# Altium PCB PCB_ECGAcquisitionSystem.PcbDoc (part 2 of 2)
Units mm, origin at the board's own origin, x right, y up, seen from the top; angles counter-clockwise.
Board outline 85.22 x 55 mm, 2 copper layers (Top Layer, Bottom Layer); 165 components, 99 nets, 434 pads, 579 vias.
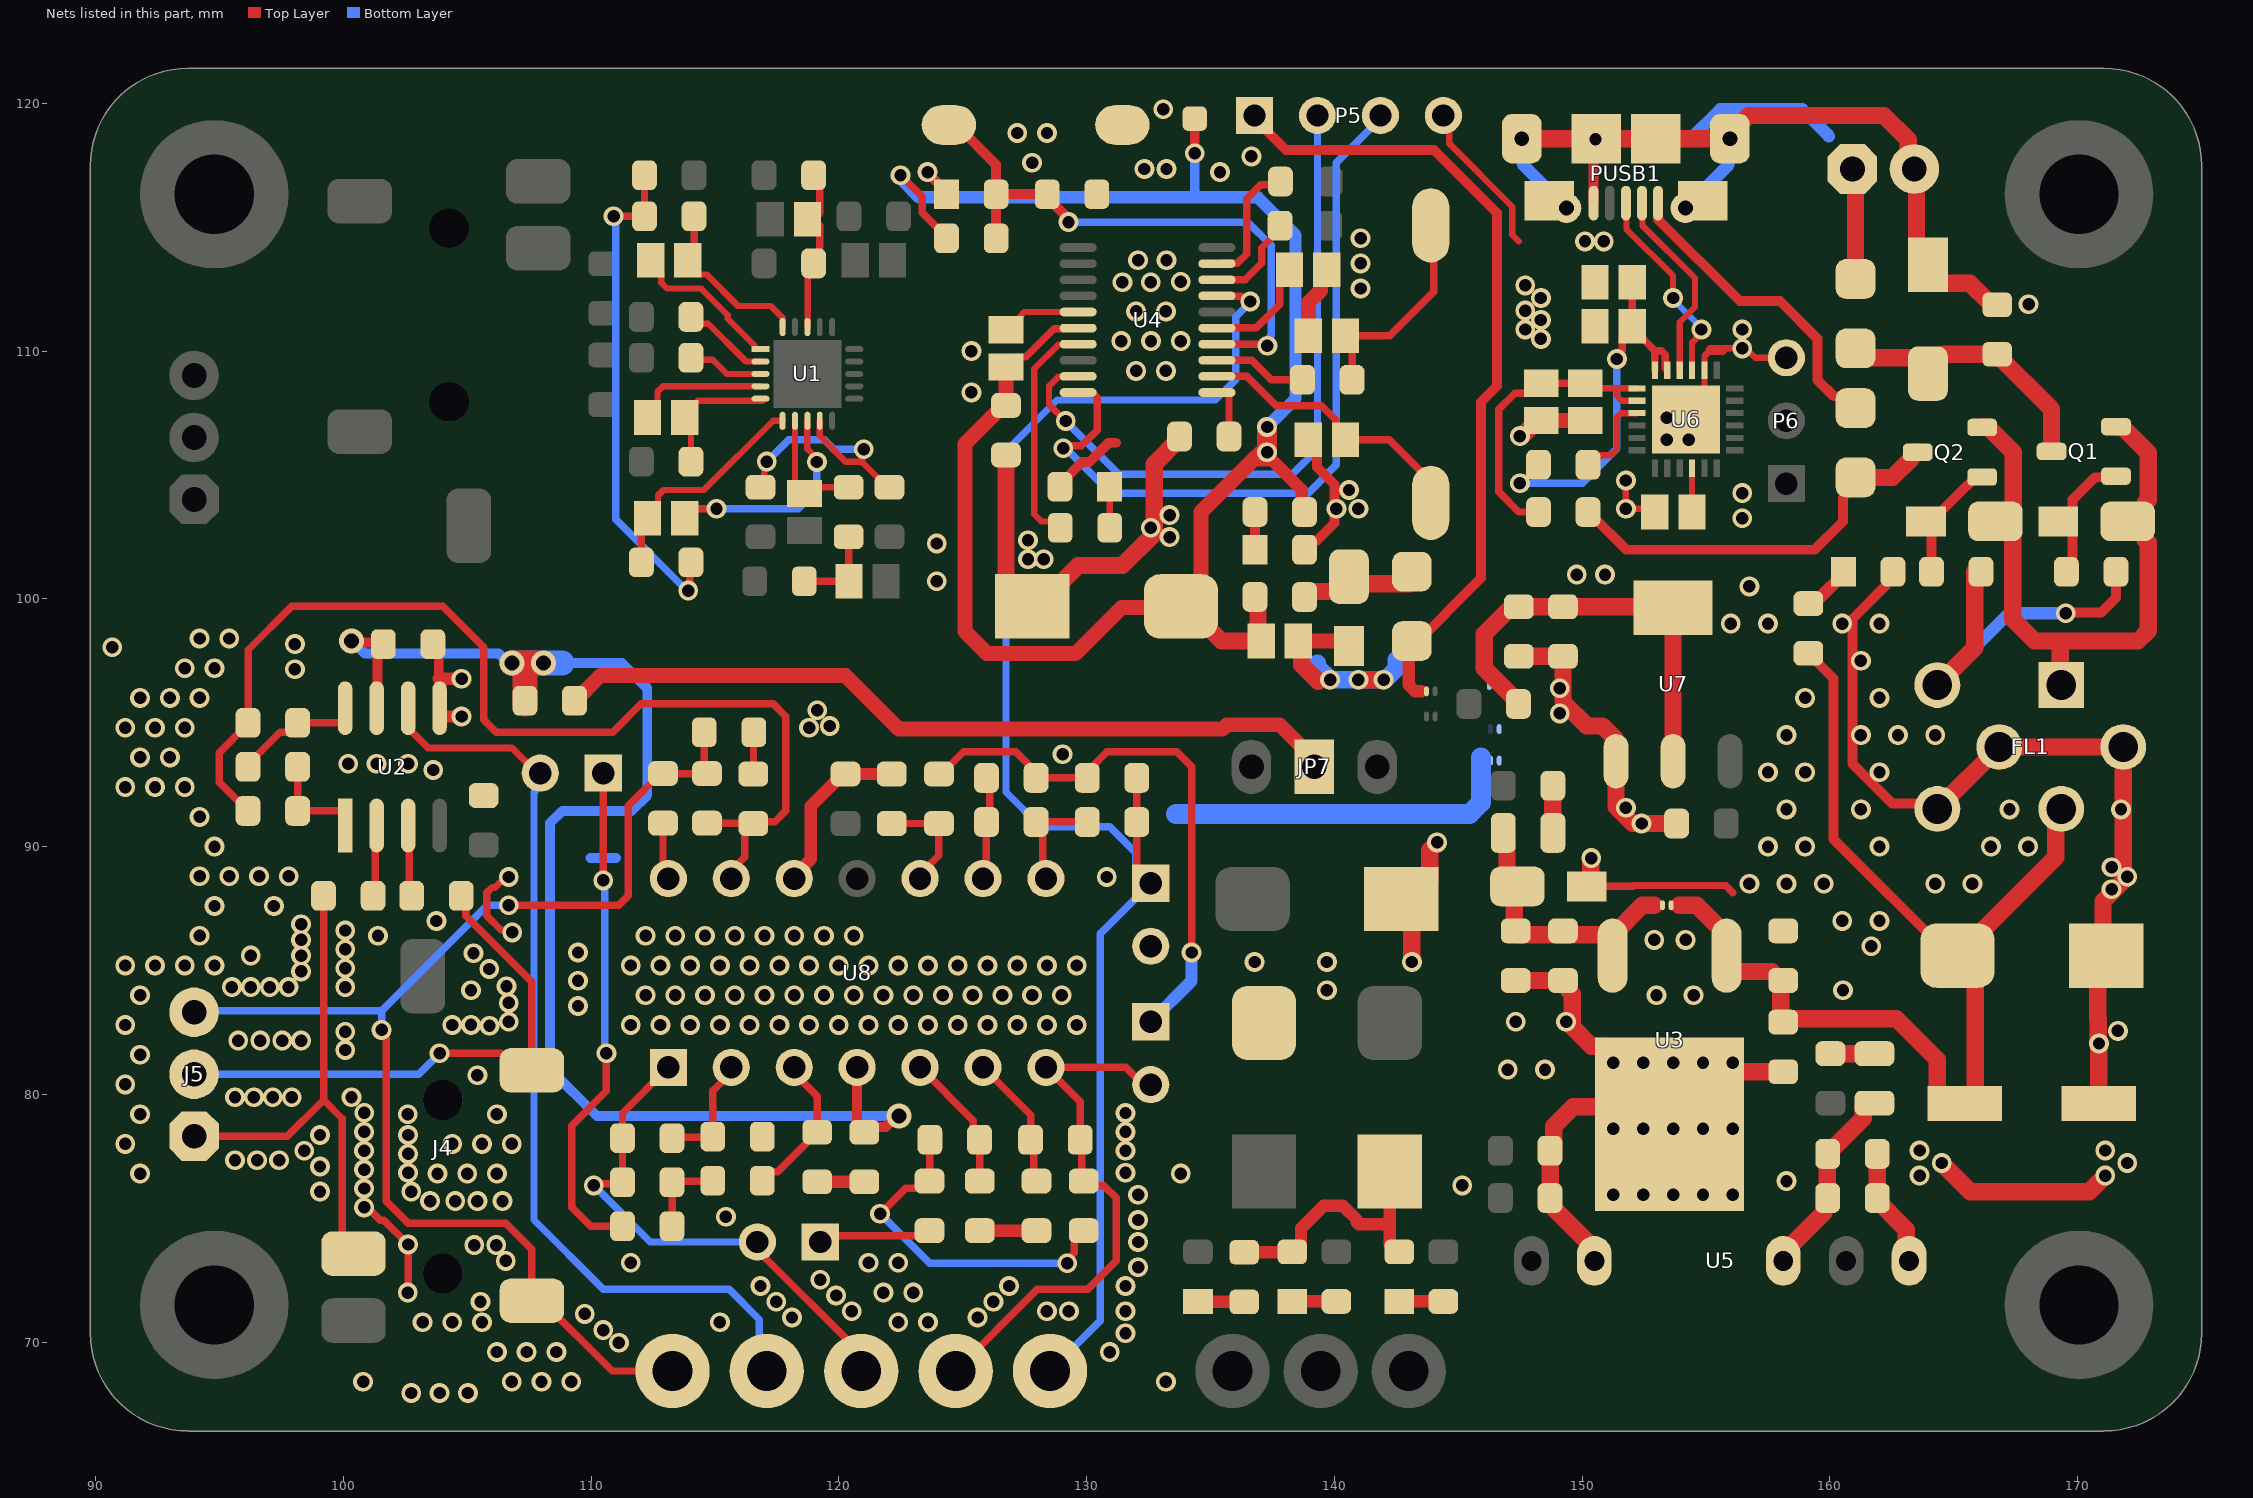
[diagram p2: the nets of this part, all layers, seen from the top]

## Via types
v1: diameter 0.8, hole 0.5, Top Layer to Bottom Layer, tented both sides, 487 vias
v2: diameter 0.8, hole 0.5, Top Layer to Bottom Layer, 87 vias
v3: diameter 1, hole 0.6, Top Layer to Bottom Layer, 5 vias

## Nets (pads, with @x,y where several pads share a name; then routed paths per layer and width w, separated by ;. In a path a pad name is that pad's centre, name@x,y a point inside that pad or via, vN(x,y) a via of type N, cw(c..) or ccw(c..) an arc to the next point about the centre after c; other vN are vias at no path point) (continued)
DGND: C8.2 C11.2 C14.2 C15.2 C31.1 C32.1 C33.1 C34.1 C35.1 C44.2 C45.1 C46.2 C47.2 D7.1 D9.1 D10.2 D11.2 JP5.1 P5.4 P6.3 R2.2 SW1.1 U4.15 U6.2 U6.25 | length 59.2
  Top Layer w0.254: C46.2@127,110.986 127.023,110.986 127.319,111.282 127.319,111.409 127.487,111.577 U4.15@129.661,111.577 ; P5.4@144.399,119.507 144.637,119.269 144.637,118.377 147.185,115.83 147.185,114.689 147.447,114.427 ; v1(151.765,104.775) v1(151.765,103.632) 152.806,103.632 C35.1@152.933,103.505 ; U6.25@154.94,108.204 154.94,109.802 155.182,110.044 ; 155.669,110.044 155.734,110.109 156.612,110.109 156.993,109.728 P6.3@158.242,109.728
  Top Layer w0.4: v1(123.584,117.222) 123.584,117.197 124.349,116.432 D9.1@124.349,116.332 ; D11.2@128.921,104.521 128.921,104.621 129.821,105.521 130.114,105.521 130.892,106.299 131.191,106.299 ; D10.2@138.795,101.981 138.795,102.054 139.091,102.35 139.301,102.35 140.004,103.054 140.004,103.555 v1(140.081,103.632) 140.004,103.709 140.004,104.617 139.3,105.321 139.3,106.076 C8.2@138.95,106.426 ; 155.182,110.044 155.669,110.044
  Top Layer w0.6: C44.2@138.545,98.298 140.205,98.298 140.589,97.914 D7.1@140.589,97.714 ; C11.2@138.95,110.617 138.95,111.947 139.438,112.435 139.438,113.034 C47.2@139.688,113.284 ; C33.1@148.349,107.2 C34.1@150.127,107.2
  Top Layer w0.7: C45.1@126.746,105.807 126.746,100.645 127.696,99.695 C15.2@127.81,99.695 128.01,99.695 129.661,101.346 131.445,101.346 132.727,102.628 132.727,105.433 133.747,106.453 R2.2@133.747,106.553 ; C44.2@138.545,98.298 138.672,98.171 138.672,97.344 139.35,96.666 ; v1(140.97,96.731) v1(141.986,96.731) ; v1(147.486,106.567) 147.506,106.586 147.585,106.586 148.199,107.2 C33.1@148.349,107.2
  Bottom Layer w0.7: 139.319,97.409 139.319,97.266 139.827,96.758 v1(139.827,96.731) ; v1@139.82,96.685 139.866,96.731 v1(140.97,96.731) ; v1@140.97,96.685 141.016,96.731 v1(141.986,96.731) ; v1@141.993,96.681 142.494,97.182 142.494,97.536
  other v1: 123.952,100.711 127.635,101.6 128.27,101.6 123.952,102.235 127.635,102.362 133.35,102.489 132.588,102.87 156.464,103.251 133.35,103.378 140.97,103.632 156.464,104.267 140.589,104.394 153.416,106.426 154.305,106.426 153.416,107.315 125.349,108.331 132,109.2 133.2,109.2 125.352,109.998 156.464,110.109 131.4,110.4 132.6,110.4 133.8,110.4 148.336,110.49 147.701,110.871 156.464,110.871 148.336,111.252 132,111.6 133.2,111.6 147.701,111.633 148.336,112.141 141.061,112.523 147.701,112.649 131.445,112.776 132.588,112.776 133.8,112.8 141.061,113.539 132.08,113.665 133.223,113.665 150.114,114.427 150.876,114.427 141.061,114.555 135.382,117.221 132.334,117.348 133.223,117.348 127.8,117.6 136.652,117.856 127.2,118.8 128.4,118.8 133.096,119.761
ECG_LA: J4.2 J5.2 R13.1 | length 23.1
  Top Layer w0.3: J5.2@93.98,80.812 J5.2@94.284,80.812 ; v2(103.886,81.661) 106.361,81.661 106.567,81.455 J4.2@107.129,81.455 ; R13.1@104.759,88.011 104.944,87.826 104.944,87.207 107.613,84.538 J4.2@107.613,81.513 ; J4.2@107.188,81.396 J4.2@107.613,80.971 J4.2@107.613,81.513 ; J4.2@107.188,81.513 J4.2@107.613,81.513
  Bottom Layer w0.3: J5.2@93.98,80.812 103.037,80.812 v2(103.886,81.661)
ECG_RA: J4.3 J5.1 R24.1 | length 20.8
  Top Layer w0.3: J5.1@93.98,78.312 97.743,78.312 99.203,79.772 ; R24.1@99.203,88.011 99.203,79.772 ; J4.3@100.413,73.571 99.949,74.035 99.949,79.026 99.203,79.772
ECG_RLD: C18.1 J4.1 J5.3 R16.1 R22.1 TP9.1 | length 51.8
  Top Layer w0.3: v2(101.547,82.601) 101.547,82.466 101.727,82.286 101.727,75.692 102.616,74.803 106.553,74.803 107.613,73.743 J4.1@107.613,71.671 108.013,71.671 110.85,68.834 TP9.1@113.284,68.834 ; v2(106.68,87.63) 111.125,87.63 111.506,88.011 111.506,91.651 112.803,92.948 R22.1@112.903,92.948 R16.1@114.57,92.948 ; C18.1@114.57,94.615 114.57,93.059 R16.1@114.681,92.948
  Bottom Layer w0.3: J5.3@93.98,83.312 94.042,83.374 101.547,83.374 ; v2(101.547,82.601) 101.547,83.374 ; v2(106.68,87.63) 105.803,87.63 101.547,83.374
ECG_V_OUT: C17.1 P4.1 R20.2 TP8.1 U4.7 | length 62.7
  Top Layer w0.3: R20.2@132.026,92.772 132.026,89.081 P4.1@132.588,88.519 ; U4.7@135.261,112.227 135.271,112.217 136.249,112.217 136.467,112 v2(136.602,112)
  Bottom Layer w0.3: TP8.1@128.524,68.834 130.556,70.866 130.556,86.487 P4.1@132.588,88.519 131.988,89.119 131.988,89.754 130.937,90.805 128.143,90.805 126.746,92.202 126.746,105.964 128.807,108.025 135.203,108.025 136.017,108.839 136.017,111.383 136.602,111.968 v2(136.602,112)
GND_ECG: C12.2 C20.1 C21.1 C39.1 C40.2 JP6.2 P4.2 R9.1 R10.1 R11.1 R12.2 U2.5 U8.12 | length 39.1
  Top Layer w0.3: v1(100.838,75.438) 100.973,75.438 101.49,74.921 101.636,74.921 v1(102.616,73.941) 102.616,72.016 v1(102.6,72) ; v1(106.68,88.773) 106.545,88.773 106.122,88.35 106.003,88.35 105.791,88.138 105.791,87.209 106.365,86.634 106.721,86.634 v1(106.816,86.538)
  Top Layer w0.4: C39.1@103.616,98.171 103.851,97.936 103.851,96.777 103.851,95.619 U2.5@103.886,95.584
  Top Layer w0.5: 103.851,96.777 104.772,96.777 v1(104.775,96.774) ; U2.5@103.886,95.584 103.886,95.288 103.924,95.25 v1(104.775,95.25) ; U8.12@118.199,88.708 118.199,88.828 118.872,89.501 118.872,91.635 120.169,92.932 C21.1@120.269,92.932 R12.2@122.136,92.932 ; C12.2@119.126,76.47 C20.1@121.031,76.47 ; R9.1@125.692,74.5 R10.1@127.978,74.5
  Bottom Layer w0.4: 109.982,89.535 110.998,89.535
  Bottom Layer w0.8: 133.604,91.313 145.454,91.313 145.923,91.782 145.923,93.599
  other v1: 102.743,67.945 103.886,67.945 105.029,67.945 100.8,68.4 106.8,68.4 108,68.4 109.2,68.4 133.2,68.4 106.2,69.6 107.4,69.6 108.6,69.6 130.937,69.596 111.125,69.977 131.572,70.358 110.49,70.485 103.2,70.8 104.4,70.8 105.6,70.8 115.2,70.8 122.4,70.8 123.6,70.8 118.11,70.993 125.603,70.993 109.747,71.139 120.523,71.247 128.397,71.247 129.286,71.247 131.572,71.247 105.537,71.628 117.475,71.628 126.238,71.628 119.888,71.882 121.8,72 123,72 116.84,72.263 126.873,72.263 131.572,72.263 119.253,72.517 132.08,73.025 111.6,73.2 121.2,73.2 122.4,73.2 106.553,73.279 105.283,73.914 106.172,73.914 132.08,74.041 132.08,74.93 115.443,75.057 103.505,75.692 104.521,75.692 105.41,75.692 106.426,75.692 132.08,75.946 99.06,76.073 102.743,76.073 100.838,76.2 91.8,76.8 103.8,76.8 105,76.8 106.2,76.8 133.8,76.8 102.616,76.835 131.572,76.835 100.838,76.962 99.06,77.089 95.631,77.343 96.52,77.343 97.409,77.343 102.616,77.597 98.425,77.724 100.838,77.724 131.572,77.724 91.2,78 104.4,78 105.6,78 106.8,78 99.06,78.359 102.616,78.359 100.838,78.486 131.572,78.486 91.8,79.2 102.6,79.2 106.2,79.2 100.846,79.257 131.572,79.248 95.631,79.883 96.393,79.883 97.155,79.883 97.917,79.883 100.33,79.883 91.2,80.4 105.41,80.772 91.8,81.6 100.076,81.788 95.758,82.169 96.647,82.169 97.536,82.169 98.298,82.169 100.076,82.524 105.902,82.769 91.2,82.8 104.4,82.8 105.156,82.804 111.6,82.8 112.8,82.8 114,82.8 115.2,82.8 116.4,82.8 117.6,82.8 118.8,82.8 120,82.8 121.2,82.8 122.4,82.8 123.6,82.8 124.8,82.8 126,82.8 127.2,82.8 128.4,82.8 129.6,82.8 106.68,82.931 109.474,83.566 106.68,83.693 91.8,84 112.2,84 113.4,84 114.6,84 115.8,84 117,84 118.2,84 119.4,84 120.6,84 121.8,84 123,84 124.2,84 125.4,84 126.6,84 127.8,84 129,84 105.156,84.201 95.504,84.328 96.266,84.328 97.028,84.328 97.79,84.328 100.076,84.328 106.587,84.362 109.474,84.582 98.298,84.963 105.888,85.06 100.076,85.09 91.2,85.2 92.4,85.2 93.6,85.2 94.8,85.2 111.6,85.2 112.8,85.2 114,85.2 115.2,85.2 116.4,85.2 117.6,85.2 118.8,85.2 120,85.2 121.2,85.2 122.4,85.2 123.6,85.2 124.8,85.2 126,85.2 127.2,85.2 128.4,85.2 129.6,85.2 96.266,85.598 98.298,85.598 105.253,85.695 109.474,85.725 100.076,85.852 98.298,86.233 94.2,86.4 101.4,86.4 112.2,86.4 113.4,86.4 114.6,86.4 115.8,86.4 117,86.4 118.2,86.4 119.4,86.4 120.6,86.4 100.076,86.614 98.298,86.868 103.759,86.995 94.8,87.6 97.2,87.6 130.81,88.773 94.2,88.8 95.4,88.8 96.6,88.8 97.8,88.8 94.8,90 94.2,91.2 91.2,92.4 92.4,92.4 93.6,92.4 103.632,93.091 100.203,93.345 101.346,93.345 102.616,93.345 91.8,93.6 93,93.6 129.032,93.726 91.2,94.8 92.4,94.8 93.6,94.8 118.8,94.8 119.634,94.869 119.126,95.504 91.8,96 93,96 94.2,96 98.044,97.155 93.6,97.2 94.8,97.2 90.678,98.044 98.044,98.171 94.2,98.4 95.4,98.4
GND_OUT: C2.2 D3.1 FL1.3 J2.2 PUSB1.5 PUSB1.SH1 PUSB1.SH2 PUSB1.SH3 PUSB1.SH4 PUSB1.SH5 PUSB1.SH6 PUSB1.SH7 PUSB1.SH8 R25.2 R44.2 | length 60.6
  Top Layer w0.4: PUSB1.5@150.465,115.971 PUSB1.SH3@150.465,118.471 ; v2@169.545,99.441 170.942,99.441 171.545,100.044 R25.2@171.545,101.092
  Top Layer w0.7: PUSB1.SH5@147.565,118.571 PUSB1.SH3@150.538,118.571 ; PUSB1.SH7@148.465,116.071 PUSB1.SH7@148.665,116.071 ; PUSB1.SH3@150.565,118.571 PUSB1.SH4@152.965,118.571 PUSB1.SH6@155.965,118.571 155.965,118.744 156.728,119.507 162.179,119.507 163.16,118.526 163.16,117.597 J2.2@163.409,117.348 163.493,117.265 163.493,113.577 D3.1@163.576,113.493 ; PUSB1.SH8@154.865,116.071 PUSB1.SH8@155.065,116.071 ; D3.1@163.83,113.493 163.83,113.193 164.28,112.743 165.652,112.743 166.524,111.871 C2.2@166.624,111.871 ; FL1.3@164.338,96.52 165.846,98.028 R44.2@165.846,101.092
  Bottom Layer w0.5: PUSB1.SH5@147.565,118.571 147.622,118.514 147.622,117.514 PUSB1.SH1@149.365,115.771 ; v2(150.538,118.546) 154.36,118.546 155.575,119.761 158.877,119.761 159.961,118.677 ; PUSB1.SH2@154.165,115.771 155.908,117.514 155.908,118.514 PUSB1.SH6@155.965,118.571 ; FL1.3@164.338,96.52 167.234,99.416 v2(169.518,99.416)
  other v2: 168.021,111.887
GND_VIN: C1.2 C3.1 C4.1 C5.1 C6.2 C13.1 C19.1 C29.1 C30.2 C36.1 C37.1 C38.2 C41.1 C42.1 C43.1 C48.2 D4.2 D5.2 D8.2 D12.1 FL1.4 FL1.5 FL1.6 JP4.1 JP5.2 JP6.1 R48.2 U3.4 U5.2 U5.7 U7.1 | length 110.4
  Top Layer w0.3: D12.1@150.19,88.392 152.061,88.392 152.099,88.43 155.791,88.43 156.083,88.138
  Top Layer w0.4: D4.2@162.544,101.092 162.275,100.823 162.275,100.553 160.909,99.187 160.909,93.345 162.522,91.732 FL1.4@164.126,91.732
  Top Layer w0.5: R48.2@136.36,73.625 136.369,73.635 138.294,73.635 D8.2@138.303,73.644 138.403,73.644 138.653,73.894 138.653,74.592 139.56,75.499 140.348,75.499 140.904,74.943 140.904,74.833 140.983,74.755 142.161,74.755 142.24,74.676 ; C1.2@142.24,76.883 142.24,74.676 ; D5.2@142.621,73.644 142.521,73.644 142.24,73.925 142.24,74.676
  Top Layer w0.7: v1(143.129,85.344) 143.129,87.884 143.85,88.605 143.85,89.848 144.145,90.143 v1(144.145,90.17) ; C43.1@147.32,84.598 C42.1@149.225,84.598 149.325,84.598 149.475,84.448 149.475,84.169 149.606,84.038 149.606,82.721 150.379,81.948 150.879,81.948 153.529,79.298 U3.4@153.529,78.798 152.825,79.502 149.635,79.502 148.851,78.718 148.851,77.874 C29.1@148.717,77.74 ; C3.1@147.447,97.679 C4.1@149.352,97.679 ; C29.1@148.701,77.724 C29.1@148.717,77.74 ; C36.1@148.717,75.546 150.495,73.768 U5.2@150.495,73.279 ; C36.1@148.717,75.569 C29.1@148.717,77.74 ; C29.1@148.717,77.974 C29.1@148.717,77.74 ; C4.1@149.225,97.679 149.225,95.836 150.192,94.869 150.81,94.869 151.313,94.366 151.313,93.504 U7.1@151.37,93.447 151.37,91.601 152.039,90.932 C5.1@153.813,90.932 ; D12.1@150.19,88.392 150.349,88.551 150.349,89.516 v1(150.368,89.535) ; U3.4@153.924,78.798 156.041,80.915 C19.1@158.115,80.915 ; C37.1@161.782,75.846 163.085,74.543 163.085,73.389 U5.7@163.195,73.279 ; C37.1@161.909,76.073 C38.2@161.909,77.597 C38.2@161.909,77.851 ; FL1.4@164.126,91.732 FL1.4@164.338,91.52 FL1.5@166.838,94.02 FL1.6@171.838,94.02 v1@171.838,88.784 ; v1(164.512,77.227) 165.666,76.073 170.469,76.073 v1(171.116,76.719) ; C48.2@170.848,79.629 170.848,82.094 170.834,82.108 170.834,83.039 170.815,83.058 170.815,85.265 171.021,85.471 171.021,87.801 v1(172.005,88.784)
  other v1: 151.257,75.946 152.463,75.946 153.67,75.946 154.876,75.946 156.083,75.946 145.161,76.327 158.25,76.5 163.623,76.719 172.005,77.227 163.623,77.735 171.116,77.735 151.257,78.613 152.463,78.613 153.67,78.613 154.876,78.613 156.083,78.613 147,81 148.5,81 151.257,81.28 152.463,81.28 153.67,81.28 154.876,81.28 156.083,81.28 170.862,82.053 171.624,82.561 147.32,82.931 149.352,82.931 153,84 154.5,84 139.7,84.201 160.528,84.201 136.779,85.344 139.7,85.344 161.671,85.979 152.908,86.233 154.178,86.233 160.5,87 162,87 171.37,88.276 156.75,88.5 158.25,88.5 159.75,88.5 164.25,88.5 165.75,88.5 171.37,89.165 157.5,90 159,90 162,90 166.5,90 168,90 152.4,90.932 158.25,91.5 161.25,91.5 167.25,91.5 171.75,91.5 151.765,91.567 157.5,93 159,93 162,93 158.25,94.5 161.25,94.5 162.75,94.5 164.25,94.5 149.098,95.377 159,96 162,96 149.098,96.393 161.25,97.5 156,99 157.5,99 160.5,99 162,99 156.75,100.5 149.78,100.976 150.923,100.976
IN+: R13.2 U2.3 | length 2.9
  Top Layer w0.3: U2.3@102.616,90.852 102.67,90.798 102.67,88.1 R13.2@102.759,88.011
IN-: R24.2 U2.2 | length 2.9
  Top Layer w0.3: R24.2@101.203,88.011 101.292,88.1 101.292,90.798 U2.2@101.346,90.852
NetC2_1: C2.1 D3.2 F2.2 Q1.3 | length 11.1
  Top Layer w0.7: F2.2@161.036,110.109 161.417,109.728 163.511,109.728 163.83,109.409 163.83,109.366 164.276,109.812 164.549,109.812 164.608,109.871 166.624,109.871 166.724,109.871 168.947,107.648 Q1.3@168.947,105.95
NetC3_2: C3.2 C4.2 FB3.1 U7.2 U7.4 | length 17.8
  Top Layer w0.7: C3.2@147.347,99.679 149.352,99.679 153.638,99.679 U7.4@153.67,99.647 U7.2@153.67,93.447 ; FB3.1@147.431,95.758 147.431,95.858 147.281,96.008 147.245,96.008 146.05,97.203 146.05,98.582 146.997,99.529 147.297,99.529 C3.2@147.447,99.679
NetC7_1: C7.1 P1.2 R7.2 TP6.1 U8.1 | length 21.4
  Top Layer w0.3: v2(110.109,76.327) 110.172,76.391 111.204,76.391 C7.1@111.268,76.454 R7.2@111.268,78.232 111.268,79.237 U8.1@113.119,81.088 ; P1.2@116.903,73.85 P1.2@116.713,74.041 116.713,73.716 120.904,69.525 TP6.1@120.904,68.834
  Bottom Layer w0.3: v2(110.109,76.327) 112.395,74.041 P1.2@116.713,74.041
NetC7_2: C7.2 R4.2 R6.1 | length 3.4
  Top Layer w0.3: R4.2@113.268,74.676 C7.2@113.268,76.454 113.299,76.485 114.882,76.485 R6.1@114.913,76.516
NetC8_1: C8.1 U4.2 Y1.1 | length 11.5
  Top Layer w0.3: U4.2@135.261,108.977 136.461,108.977 137.649,107.789 139.48,107.789 140.05,107.219 140.05,106.953 140.577,106.426 142.216,106.426 144.018,104.624 Y1.1@144.018,103.874
NetC9_1: C9.1 C10.2 R3.1 | length 14
  Top Layer w0.3: v2(121.666,75.184) 122.699,76.217 123.123,76.217 C9.1@123.414,76.508 ; C10.2@123.414,78.159 C10.2@123.422,78.167 ; C9.1@123.668,76.508 C10.2@123.668,78.159 ; v2(129.221,73.187) 129.221,73.322 129.495,73.596 129.495,74.158 129.837,74.5 R3.1@129.883,74.5
  Bottom Layer w0.3: v2(121.666,75.184) 123.663,73.187 v2(129.221,73.187)
NetC9_2: C9.2 P1.1 | length 4.3
  Top Layer w0.3: P1.1@119.253,74.041 119.507,74.295 123.201,74.295 C9.2@123.406,74.5
NetC10_1: C10.1 R9.2 U8.5 | length 5.5
  Top Layer w0.3: U8.5@123.279,81.088 125.43,78.937 C10.1@125.43,78.159 ; R9.2@125.43,76.508 R9.2@125.438,76.5 ; R9.2@125.684,76.508 C10.1@125.684,78.159
NetC11_1: C11.1 R5.2 Y1.2 | length 8.9
  Top Layer w0.3: R5.2@140.716,108.839 140.716,110.351 C11.1@140.45,110.617 142.24,110.617 144.018,112.395 Y1.2@144.018,115.074
NetC12_1: C12.1 R6.2 U8.3 | length 6.1
  Top Layer w0.3: R6.2@116.913,76.516 116.913,76.539 117.255,76.881 117.537,76.881 118.738,78.082 118.738,78.128 119.08,78.47 C12.1@119.126,78.47 119.126,79.931 118.199,80.858 U8.3@118.199,81.088
NetC14_1: C14.1 D9.2 R50.2 SW1.2 U4.4 | length 23.8
  Top Layer w0.3: U4.4@135.261,110.277 135.271,110.267 137.249,110.267 v2(137.298,110.218)
  Top Layer w0.4: SW1.2@124.445,119.126 124.745,119.126 126.349,117.522 D9.2@126.349,116.332 ; R50.2@126.349,114.554 D9.2@126.349,116.332 ; v2(129.271,115.206) 129.195,115.282 129.195,115.423 128.413,116.205 C14.1@128.413,116.332 D9.2@126.349,116.332
  Bottom Layer w0.3: v2(129.271,115.206) 136.508,115.206 137.452,114.262 137.452,110.644 137.394,110.586 137.394,110.314 v2(137.298,110.218)
NetC16_1: C16.1 R12.1 U8.10 | length 4.4
  Top Layer w0.3: R12.1@122.136,90.932 C16.1@124.041,90.932 124.041,89.643 123.279,88.881 U8.10@123.279,88.708
NetC16_2: C16.2 P3.1 R15.1 R20.1 | length 22.7
  Top Layer w0.3: C16.2@124.087,92.932 124.141,92.932 125.031,93.822 127.139,93.822 128.089,92.872 128.089,92.772 129.772,92.772 129.772,92.818 130.176,93.222 130.222,93.222 130.822,93.822 133.635,93.822 134.239,93.218 v2(134.239,85.725)
  Bottom Layer w0.5: P3.1@132.588,82.931 134.232,84.575 134.232,85.718 v2(134.239,85.725)
NetC17_2: C17.2 R18.2 U8.8 | length 4.1
  Top Layer w0.3: U8.8@128.359,88.708 128.224,88.843 128.224,90.859 128.089,90.994 C17.2@129.772,90.994
NetC18_2: C18.2 R14.1 | length 1.6
  Top Layer w0.3: R14.1@116.548,92.932 116.556,92.94 116.556,94.542 C18.2@116.564,94.55
NetC23_1: C23.1 R34.1 U1.5 | length 5.4
  Top Layer w0.254: R34.1@114.03,105.537 114.03,107.065 C23.1@113.78,107.315 113.78,107.465 114.315,108 U1.5@116.929,108
NetC23_2: C23.2 U1.4 | length 5.2
  Top Layer w0.254: C23.2@112.28,107.569 112.68,107.969 112.68,108.355 112.902,108.577 U1.4@116.84,108.577
NetC24_1: C24.1 R35.1 R36.1 U1.18 | length 6.5
  Top Layer w0.254: U1.18@118.745,110.968 118.745,113.3 R36.1@118.983,113.538
  Top Layer w0.3: R36.1@119.237,113.438 119.237,115.066 118.987,115.316 119.237,115.566 R35.1@119.237,117.094
NetC25_1: C25.1 U1.1 | length 5.8
  Top Layer w0.254: C25.1@112.407,113.538 112.83,113.115 112.83,112.761 113.069,112.522 114.444,112.522 115.515,111.451 115.515,111.307 116.586,110.236
NetC25_2: C25.2 R37.1 U1.20 | length 7
  Top Layer w0.254: C25.2@113.907,113.538 113.907,113.515 114.33,113.092 114.658,113.092 115.932,111.818 117.245,111.818 117.731,111.332 U1.20@117.731,110.968
  Top Layer w0.3: C25.2@113.907,113.538 114.157,113.788 R37.1@114.157,115.316
NetC26_1: C26.1 R39.2 R40.1 | length 3.7
  Top Layer w0.3: R39.2@118.547,100.766 R39.2@118.602,100.711 C26.1@120.408,100.711 120.396,100.723 R40.1@120.396,102.505
NetC27_1: C27.1 R40.2 U1.7 | length 4.3
  Top Layer w0.254: C27.1@118.231,104.765 U1.7@118.231,107.186 ; C27.1@118.618,104.255 118.868,104.505 R40.2@120.396,104.505
NetC28_1: C28.1 R43.1 U1.6 | length 9.3
  Top Layer w0.254: C28.1@112.03,103.001 C28.1@112.28,103.251 112.703,103.674 112.703,104.172 112.925,104.394 114.554,104.394 117.346,107.186 U1.6@117.731,107.186
  Top Layer w0.3: R43.1@112.03,101.473 C28.1@112.03,103.001
NetC28_2: C28.2 U1.8 | length 8.8
  Top Layer w0.254: C28.2@113.78,103.251 C28.2@114.161,103.632 ; U1.8@118.731,107.186 118.731,106.054 119.113,105.671 v2(119.113,105.524)
  Top Layer w0.3: C28.2@114.161,103.632 v2(115.062,103.632)
  Bottom Layer w0.3: v2(115.062,103.632) 118.364,103.632 119.113,104.381 v2(119.113,105.524)
NetC31_2: C31.2 C32.2 R30.1 U6.5 U6.6 | length 15.8
  Top Layer w0.3: v2(147.486,104.668) 147.542,104.668 148.238,105.364 R30.1@148.238,105.41 ; v2(151.404,109.681) 151.404,109.817 151.625,110.037 151.625,110.603 C32.2@152.02,110.998 ; C31.2@152.02,112.776 C32.2@152.02,110.998 ; U6.6@152.937,109.22 152.937,110.02 ; U6.5@153.362,109.295 153.362,109.844 153.186,110.02 152.937,110.02 ; C32.2@152.02,110.998 152.02,110.848 152.42,110.448 152.509,110.448 152.937,110.02
  Bottom Layer w0.3: v2(147.486,104.668) 150.007,104.668 151.404,106.065 v2(151.404,109.681)
NetC33_2: C33.2 C34.2 R31.1 U6.7 U6.8 | length 12.4
  Top Layer w0.254: C34.2@150.586,108.495 151.399,108.495 ; U6.8@152.212,107.995 151.601,107.995 151.399,108.197 151.399,108.495 ; U6.7@152.212,108.495 151.399,108.495
  Top Layer w0.3: R31.1@148.365,103.505 147.447,103.505 146.636,104.316 146.636,107.647 147.289,108.3 148.039,108.3 C33.2@148.378,108.64 ; C33.2@148.603,108.7 C34.2@150.127,108.7 150.381,108.7 C34.2@150.586,108.495
NetC35_2: C35.2 U6.16 | length 1.8
  Top Layer w0.254: C35.2@154.433,103.505 154.437,103.509 U6.16@154.437,105.27
NetC37_2: C37.2 C38.1 F5.1 U5.5 | length 8.2
  Top Layer w0.7: U5.5@158.115,73.279 158.115,73.579 159.759,75.223 159.759,75.939 159.893,76.073 C38.1@159.893,77.724 ; C38.1@159.909,77.597 159.909,77.697 160.059,77.847 160.159,77.847 161.348,79.036 161.348,79.495 161.498,79.645 F5.1@161.798,79.645
NetC42_2: C42.2 C43.2 D12.2 F4.1 JP1.2 U3.3 | length 11.2
  Top Layer w0.7: F4.1@146.82,90.551 146.97,90.401 146.97,88.623 147.26,88.333 147.26,86.658 C43.2@147.32,86.598 147.47,86.448 150.998,86.448 U3.3@151.229,86.217 ; U3.3@151.229,85.598 U3.3@151.229,86.217 ; 152.908,87.63 152.43,87.63 151.229,86.429 U3.3@151.229,86.217
NetC47_1: C47.1 U4.5 | length 4.4
  Top Layer w0.3: U4.5@135.388,110.927 135.398,110.937 136.845,110.937 137.788,111.88 137.788,112.884 C47.1@138.188,113.284
NetD1_1: D1.1 R48.1 | length 1.9
  Top Layer w0.5: D1.1@134.493,71.644 134.502,71.634 136.35,71.634 R48.1@136.36,71.625
NetD2_1: D2.1 Q1.1 R25.1 | length 5.9
  Top Layer w0.4: R25.1@169.291,101.092 R25.1@169.545,101.346 ; R25.1@169.799,101.346 169.799,102.724 D2.1@169.399,103.124 ; Q1.1@171.547,104.95 171.504,104.907 170.693,104.907 169.799,104.013 169.799,103.524 D2.1@169.399,103.124 ; D2.1@169.399,103.124 D2.1@169.215,103.124 D2.1@169.399,103.124
NetD2_2: D2.2 D6.2 FL1.1 Q1.2 Q2.2 | length 27.1
  Top Layer w0.7: Q2.2@166.146,106.918 166.396,106.918 167.396,105.918 167.396,103.57 166.95,103.124 D6.2@166.94,103.124 ; D6.2@166.681,103.124 D6.2@166.94,103.124 ; 169.291,98.044 169.291,96.567 FL1.1@169.338,96.52 FL1.1@169.913,97.095 ; Q1.2@171.547,106.95 171.797,106.95 172.847,105.9 172.847,103.984 172.734,103.871 172.734,103.57 D2.2@172.288,103.124 ; D2.2@172.015,103.124 D2.2@172.288,103.124 ; D6.2@166.94,103.124 167.386,102.678 167.386,99.187 168.275,98.298 169.291,98.298 172.437,98.298 172.847,98.708 172.847,102.264 172.734,102.377 172.734,102.678 D2.2@172.288,103.124
NetD4_1: D4.1 R26.1 | length 2
  Top Layer w0.5: R26.1@159.131,99.806 159.381,100.056 159.608,100.056 160.544,100.992 D4.1@160.544,101.092
NetD5_1: D5.1 R1.1 | length 1.8
  Top Layer w0.5: D5.1@142.621,71.644 R1.1@144.399,71.644
NetD6_1: D6.1 Q2.1 R44.1 | length 5.1
  Top Layer w0.4: R44.1@164.1,101.092 164.1,102.905 D6.1@163.881,103.124 164.081,103.124 165.531,104.574 165.552,104.574 165.896,104.918 Q2.1@166.146,104.918
NetD7_2: D7.2 F1.1 FB1.1 | length 4.6
  Top Layer w0.7: FB1.1@138.795,100.076 138.795,100.145 138.945,100.295 140.37,100.295 140.689,100.614 143.029,100.614 F1.1@143.129,100.714
NetD8_1: D8.1 R46.1 | length 1.8
  Top Layer w0.5: D8.1@138.303,71.644 R46.1@140.081,71.644
NetD10_1: D10.1 R49.1 | length 1.5
  Top Layer w0.4: D10.1@136.795,101.981 R49.1@136.795,103.505
NetD11_1: D11.1 R51.1 | length 1.6
  Top Layer w0.254: R51.1@130.937,102.87 D11.1@130.937,104.505
NetF2_1: F2.1 J2.1 | length 4.5
  Top Layer w0.7: J2.1@160.782,117.221 J2.1@160.909,117.348 ; F2.1@160.909,112.909 161.036,113.036 J2.1@161.036,117.221
NetF3_1: F3.1 PUSB1.1 | length 12.8
  Top Layer w0.4: PUSB1.1@153.065,115.971 153.065,115.315 156.366,112.014 157.988,112.014 159.492,110.51 159.492,108.838 160.154,108.176 160.559,108.176 F3.1@161.036,107.699
NetF4_2: F4.2 FB2.1 | length 1.9
  Top Layer w0.7: F4.2@148.82,90.551 FB2.1@148.82,92.456
NetF5_2: F5.2 FB4.1 | length 1.8
  Top Layer w0.7: FB4.1@160.02,81.645 F5.2@161.798,81.645
NetFB5_2: FB5.2 JP7.2 | length 32.1
  Top Layer w0.6: FB5.2@109.331,95.858 110.374,96.901 120.269,96.901 122.428,94.742 135.488,94.742 135.664,94.918 137.792,94.918 139.192,93.518 JP7.2@139.192,93.218
NetP2_1: P2.1 R4.1 | length 20.4
  Top Layer w0.3: P2.1@110.363,92.837 110.49,92.71 v2(110.49,88.635) ; v2(110.617,81.661) 110.617,80.137 109.22,78.74 109.22,75.438 109.982,74.676 R4.1@111.268,74.676
  Bottom Layer w0.3: v2(110.49,88.635) 110.553,88.571 110.553,81.724 v2(110.617,81.661)
NetP2_2: P2.2 TP7.1 U2.6 | length 38.1
  Top Layer w0.3: U2.6@102.616,95.584 102.616,94.788 103.424,93.98 106.807,93.98 P2.2@108.019,92.768
  Bottom Layer w0.3: P2.2@107.95,92.964 107.72,92.734 107.72,92.213 107.696,92.188 107.696,74.93 110.49,72.136 115.57,72.136 116.795,70.911 116.795,69.133 TP7.1@117.094,68.834
NetR2_1: R2.1 U4.1 | length 2.2
  Top Layer w0.3: U4.1@135.261,108.327 135.724,108.327 135.747,108.304 R2.1@135.747,106.553
NetR5_1: R5.1 U4.3 | length 3.8
  Top Layer w0.3: U4.3@135.261,109.627 136.66,109.627 137.448,108.839 R5.1@138.716,108.839
NetR7_1: R7.1 R11.2 U8.2 | length 4.8
  Top Layer w0.3: R7.1@113.268,78.232 113.299,78.263 114.882,78.263 R11.2@114.913,78.294 114.913,80.137 115.659,80.883 U8.2@115.659,81.088
NetR8_1: R8.1 R10.2 U8.6 | length 5.5
  Top Layer w0.3: U8.6@125.819,81.088 127.74,79.167 R8.1@127.74,78.167 127.859,78.048 127.859,76.619 R10.2@127.978,76.5
NetR14_2: R14.2 R16.2 R19.1 R23.1 U8.13 | length 44.1
  Top Layer w0.3: R19.1@96.155,91.44 96.155,91.486 95.751,91.89 95.705,91.89 94.996,92.599 94.996,93.791 96.155,94.95 R23.1@96.155,94.996 96.155,97.933 97.917,99.695 104.013,99.695 105.664,98.044 105.664,95.123 106.172,94.615 110.871,94.615 112.014,95.758 117.348,95.758 117.856,95.25 117.856,91.44 117.422,91.006 116.614,91.006 R14.2@116.548,90.94 ; R16.2@114.554,90.948 114.562,90.94 R14.2@116.421,90.94 ; U8.13@115.659,88.708 115.659,89.033 116.205,89.579 116.205,90.716 R14.2@116.421,90.932
NetR15_2: R15.2 R18.1 U8.9 | length 4.2
  Top Layer w0.3: U8.9@125.819,88.708 125.954,88.843 125.954,90.859 126.089,90.994 R15.2@126.089,92.772
NetR22_2: R22.2 U8.14 | length 2.4
  Top Layer w0.3: R22.2@112.649,90.948 112.903,90.694 112.903,88.924 U8.14@113.119,88.708
NetR30_2: R30.2 U6.9 | length 3.6
  Top Layer w0.254: R30.2@150.238,105.41 150.238,105.435 150.602,105.798 151.15,105.798 151.397,106.045 151.397,107.315 151.577,107.495 U6.9@152.212,107.495
NetR32_1: R32.1 U1.2 | length 3.6
  Top Layer w0.254: R32.1@114.03,111.379 114.311,111.098 114.733,111.098 116.254,109.577 U1.2@116.84,109.577
NetR33_1: R33.1 U1.3 | length 3.1
  Top Layer w0.254: R33.1@114.03,109.728 114.114,109.644 114.911,109.644 115.478,109.077 U1.3@116.84,109.077
NetR37_2: R37.2 R38.2 R43.2 | length 20.3
  Top Layer w0.3: v2(110.91,115.443) R37.2@112.157,115.443 R38.2@112.157,116.967 ; v2(113.919,100.33) 113.975,100.386 113.975,101.418 R43.2@114.03,101.473
  Bottom Layer w0.3: v2(110.91,115.443) 110.998,115.355 110.998,103.204 113.872,100.33 v2(113.919,100.33)
NetR41_2: R41.2 R42.2 U1.9 | length 10.4
  Top Layer w0.254: R41.2@116.84,104.505 116.99,104.655 116.99,105.433 v2(117.094,105.537) ; U1.9@119.231,107.186 119.231,106.575 120.269,105.537 120.921,105.537 121.953,104.505 R42.2@122.047,104.505
  Top Layer w0.3: 120.921,105.537 120.921,105.673 120.974,105.726 120.974,106.01 v2(121.003,106.039)
  Bottom Layer w0.3: v2(117.094,105.537) 117.983,106.426 119.413,106.426 119.794,106.045 120.997,106.045 v2(121.003,106.039)
NetR45_2: R45.2 U4.8 | length 3.8
  Top Layer w0.3: U4.8@135.388,112.877 135.398,112.887 136.405,112.887 137.061,113.543 137.061,114.158 137.811,114.908 R45.2@137.811,115.062
NetR47_2: R47.2 U4.9 | length 5.1
  Top Layer w0.3: U4.9@135.388,113.527 135.398,113.537 136.079,113.537 136.461,113.918 136.461,116.141 137.033,116.713 137.7,116.713 R47.2@137.827,116.84
NetR51_2: R51.2 U4.17 | length 9.2
  Top Layer w0.254: R51.2@128.937,103.124 128.175,103.124 127.889,103.41 127.889,109.281 128.866,110.259 129.643,110.259 U4.17@129.661,110.277
Rg1: R19.2 R21.2 U2.1 | length 4.4
  Top Layer w0.3: R21.2@98.155,93.218 R19.2@98.155,91.44 99.935,91.44 100.076,91.299 U2.1@100.076,90.852 ; R21.2@98.227,93.29 R21.2@98.282,93.345 ; R19.2@98.282,91.567 R19.2@98.338,91.511
Rg2: R21.1 R23.2 U2.8 | length 5.5
  Top Layer w0.3: R21.1@96.211,93.162 R21.1@96.155,93.218 96.155,93.318 97.445,94.608 97.813,94.608 R23.2@98.201,94.996 ; R23.2@98.337,95.178 98.282,95.123 98.282,95.077 R23.2@98.201,94.996 ; U2.8@100.076,95.584 100.076,95.126 99.946,94.996 R23.2@98.201,94.996
SWCLK: P5.3 U4.20 | length 30.8
  Top Layer w0.3: v2(129.057,106.075) 129.153,106.171 129.788,106.171 130.429,106.811 130.429,108.126 130.228,108.327 U4.20@129.661,108.327
  Bottom Layer w0.3: v2(129.057,106.075) 129.159,106.075 130.967,104.267 138.938,104.267 140.081,105.41 140.081,117.602 P5.3@141.859,119.38
SWDIO: P5.2 U4.19 | length 27.8
  Top Layer w0.254: v2(129.159,107.175) 129.151,107.175 128.484,107.842 128.484,108.576 128.866,108.959 129.643,108.959 U4.19@129.661,108.977
  Bottom Layer w0.3: v2(129.159,107.175) 131.305,105.029 138.303,105.029 139.319,106.045 P5.2@139.319,119.38
USB_DN: PUSB1.2 U6.4 | length 7.9
  Top Layer w0.254: PUSB1.2@152.415,115.971 152.438,115.948 152.438,115.056 154.559,112.935 154.559,111.787 153.939,111.167 153.939,109.222 U6.4@153.937,109.22
USB_DP: PUSB1.3 U6.3 | length 8.2
  Top Layer w0.254: PUSB1.3@151.765,115.971 151.788,115.948 151.788,114.922 153.67,113.04 v2(153.67,112.141) ; U6.3@154.437,109.22 154.437,110.347 154.813,110.723 v2(154.813,110.871)
  Bottom Layer w0.254: v2(153.67,112.141) 153.67,112.078 154.813,110.934 v2(154.813,110.871)
V_IN_MCU: F1.2 JP3.2 P5.1 | length 31.8
  Top Layer w0.4: P5.1@136.779,119.38 138.049,118.11 144.018,118.11 146.558,115.57 146.558,108.585 145.923,107.95 145.923,100.835 F1.2@143.129,98.041
  Top Layer w0.5: 143.002,97.409 143.002,96.53 143.266,96.266 143.51,96.266
V_MCU: C15.1 C44.1 C45.2 C46.1 FB1.2 R49.2 R50.1 TP4.1 U4.16 | length 75.8
  Top Layer w0.3: v2(122.491,117.099) 123.362,116.228 123.362,115.583 123.663,115.282 123.667,115.282 124.349,114.6 R50.1@124.349,114.554 ; C46.1@126.746,109.359 127.146,109.759 127.539,109.759 128.689,110.909 129.032,110.909 129.041,110.917 129.651,110.917 U4.16@129.661,110.927
  Top Layer w0.4: C45.2@126.646,107.807 C45.2@126.746,107.807 ; v2(134.366,117.983) TP4.1@134.366,119.38
  Top Layer w0.5: 136.715,105.6 137.478,105.6 138.677,104.401 138.677,103.623 R49.2@138.795,103.505
  Top Layer w0.6: C45.2@126.646,107.807 125.095,106.256 125.095,98.679 125.979,97.795 129.559,97.795 131.41,99.646 133.761,99.646 C15.1@133.81,99.695 134.62,100.505 134.62,103.505 136.715,105.6 136.995,105.88 137.249,105.88 v2(137.287,105.918) ; C45.2@126.746,107.807 C46.1@126.746,109.359
  Top Layer w0.7: C15.1@133.81,99.695 134.048,99.695 135.445,98.298 C44.1@137.045,98.298 136.92,98.423 136.92,99.951 FB1.2@136.795,100.076 FB1.2@136.945,100.226
  Top Layer w0.8: v2(137.287,105.918) v2(137.287,106.934)
  Bottom Layer w0.4: v2(134.366,117.983) 134.366,116.332 134.493,116.205
  Bottom Layer w0.5: v2(122.491,117.099) 122.491,117.018 122.634,116.875 122.634,116.815 123.243,116.205 134.493,116.205 136.906,116.205 138.43,114.681 138.43,108.077 v2(137.287,106.934)
  Bottom Layer w0.8: v2(137.287,105.918) v2(137.287,106.934)
V_USB: F3.2 Q2.3 R31.2 | length 16.4
  Top Layer w0.4: R31.2@150.365,103.505 150.365,103.405 151.789,101.981 159.385,101.981 160.528,103.124 160.528,104.065 160.559,104.096 160.559,104.422 F3.2@161.036,104.899
  Top Layer w0.7: F3.2@161.036,104.899 162.527,104.899 163.296,105.668 163.296,105.918 Q2.3@163.546,105.918
VCC_ECG: C20.2 C39.2 FB5.1 U2.7 U8.4 | length 57.6
  Top Layer w0.4: v3(100.33,98.298) 100.393,98.234 101.552,98.234 C39.2@101.616,98.171 101.381,97.936 101.381,95.619 U2.7@101.346,95.584 ; U8.4@120.739,81.088 120.739,78.762 C20.2@121.031,78.47 121.251,78.69 121.894,78.69 122.325,79.121 v3(122.428,79.121)
  Top Layer w1: v3(106.807,97.409) 107.315,97.409 ; FB5.1@107.331,95.758 107.331,97.393 107.315,97.409 ; v3(108.077,97.409) 107.315,97.409
  Bottom Layer w0.4: v3(100.33,98.298) 100.356,98.298 100.864,97.79 106.273,97.79 106.654,97.409 v3(106.807,97.409) ; 108.839,97.409 111.252,97.409 112.268,96.393 112.268,92.075 111.633,91.44 108.839,91.44 108.346,90.947 108.346,81.011 110.236,79.121 v3(122.428,79.121)
  Bottom Layer w1: v3(106.807,97.409) v3(108.077,97.409) 108.839,97.409
VIN_PROTECTED: C19.2 C30.1 C41.2 C48.1 FL1.2 JP1.1 R26.2 U3.1 | length 46.1
  Top Layer w0.4: R26.2@159.131,97.806 159.204,97.806 159.5,97.51 159.5,97.437 160.147,96.79 160.147,90.297 164.846,85.598 C30.1@165.148,85.598
  Top Layer w0.7: 153.924,87.63 154.628,87.63 155.829,86.429 U3.1@155.829,85.598 ; U3.1@155.702,84.96 157.653,84.96 158.015,84.598 C41.2@158.115,84.598 ; C19.2@158.022,82.881 158.199,83.058 162.687,83.058 164.338,81.407 164.338,79.979 164.688,79.629 C48.1@165.448,79.629 165.512,79.629 165.862,79.979 165.862,84.884 C30.1@165.148,85.598 165.186,85.598 166.113,86.525 166.113,86.563 169.118,89.568 169.118,91.3 FL1.2@169.338,91.52 ; C19.2@158.022,83.008 C41.2@158.022,84.505
Vo3: P3.2 R3.2 R8.2 TP5.1 U8.7 | length 22.5
  Top Layer w0.3: TP5.1@124.714,68.834 128.016,72.136 130.048,72.136 131.191,73.279 131.191,75.819 130.691,76.319 130.064,76.319 129.812,76.572 129.812,78.096 R8.2@129.74,78.167 129.74,79.707 U8.7@128.359,81.088 131.588,81.088 132.285,80.391 P3.2@132.588,80.391
  Bottom Layer w0.3: P3.2@132.285,80.391 P3.2@132.588,80.391
pads on no net: J3. J3.4 J3.5 J4. J4.4 J4.5 M1.1 M2.1 M3.1 M4.1 PUSB1.4 U4.6 U4.10 U4.18 U5.6 U6.1 U6.10 U6.11 U6.12 U6.13 U6.14 U6.15 U6.17 U6.18 U6.19 U6.22 U6.23 U6.24
copper on no net:
  other v2: 94.789,69.101 170.053,69.101 93.092,69.804 96.486,69.804 168.356,69.804 171.75,69.804 92.389,71.501 97.189,71.501 167.653,71.501 172.453,71.501 93.092,73.198 96.486,73.198 168.356,73.198 171.75,73.198 94.789,73.901 170.053,73.901 147.959,101.528 94.789,113.932 170.053,113.932 93.092,114.635 96.486,114.635 168.356,114.635 171.75,114.635 92.389,116.332 97.189,116.332 167.653,116.332 172.453,116.332 93.092,118.029 96.486,118.029 168.356,118.029 171.75,118.029 94.789,118.732 170.053,118.732

## Polygon pours and split planes (outlines as drawn)
DGND on Top Layer "NONET_L-01_P-001" (solid, remove dead copper, pour order 5): 125.222,120.523 123.444,118.745 123.444,98.679 126.365,95.758 145.161,95.758 148.463,99.06 148.463,101.727 149.352,102.616 158.75,102.616 158.75,102.743 159.258,103.251 159.258,114.173 157.48,115.951 147.447,115.951 146.05,117.348 146.05,119.761 145.288,120.523
AD8232_GND on Top Layer "NONET_L-01_P-001" (solid, remove dead copper, pour order 3): 90.297,101.981 95.025,97.253 122.018,97.253 124.46,99.695 124.46,117.221 120.523,121.158 100.203,121.158 98.552,119.507 98.552,114.808 96.393,112.649 91.567,112.649 90.297,111.379
GND_ECG on Top Layer "NONET_L-01_P-001" (solid, remove dead copper, pour order 1): 133.858,67.31 134.493,67.945 134.493,94.488 132.842,96.139 123.063,96.139 120.269,98.933 105.537,98.933 104.648,99.822 91.821,99.822 90.297,98.298 90.297,77.47 91.821,75.946 98.171,75.946 99.06,75.057 99.06,68.707 100.457,67.31
GND_VIN on Top Layer "NONET_L-01_P-001" (solid, remove dead copper, pour order 6): 160.401,108.839 171.069,108.839 173.355,106.553 173.355,77.343 172.085,76.073 166.878,76.073 166.116,75.311 146.431,75.311 145.288,74.168 145.288,68.58 144.399,67.691 135.763,67.691 135.763,67.945 134.874,68.834 134.874,91.059 135.763,91.948 146.812,91.948 147.32,92.456 147.32,101.219 148.844,102.743 158.75,102.743 159.512,103.505 159.512,108.077
DGND on Bottom Layer "NONET_L-01_P-001" (solid, remove dead copper, pour order 4): 125.095,120.396 123.444,118.745 123.444,98.679 125.222,96.901 146.304,96.901 148.463,99.06 148.463,101.727 149.352,102.616 158.75,102.616 158.75,102.743 159.258,103.251 159.258,114.173 157.48,115.951 147.447,115.951 146.05,117.348 146.05,119.761 145.415,120.396
GND_ECG on Bottom Layer "NONET_L-01_P-001" (solid, remove dead copper, pour order 0): 133.858,67.31 134.493,67.945 134.493,94.488 132.842,96.139 126.238,96.139 123.571,98.806 105.664,98.806 103.886,100.584 91.948,100.584 90.297,98.933 90.297,77.47 91.821,75.946 98.171,75.946 99.06,75.057 99.06,68.707 100.457,67.31
GND_OUT on Bottom Layer "NONET_L-01_P-001" (solid, remove dead copper, pour order 10): 159.258,120.142 159.512,120.396 164.465,120.396 165.989,118.872 165.989,113.665 167.132,112.522 171.704,112.522 173.355,110.871 173.355,96.52 172.085,95.25 163.703,95.25 159.258,99.695 159.258,105.41
AD8232_GND on Bottom Layer "NONET_L-01_P-001" (solid, remove dead copper, pour order 2): 90.297,101.981 93.472,98.806 123.571,98.806 124.46,99.695 124.46,117.221 120.523,121.158 100.203,121.158 98.552,119.507 98.552,114.808 96.393,112.649 91.567,112.649 90.297,111.379
GND_VIN on Bottom Layer "NONET_L-01_P-001" (solid, remove dead copper, pour order 9): 134.874,91.059 135.763,91.948 146.812,91.948 147.32,92.456 147.32,101.219 148.844,102.743 161.29,102.743 162.56,101.473 162.56,96.393 163.83,95.123 172.974,95.123 173.355,94.742 173.355,77.343 171.323,75.311 146.431,75.311 145.288,74.168 145.288,68.58 144.399,67.691 136.017,67.691 134.874,68.834
GND_OUT on Bottom Layer "NONET_L-01_P-001" (solid, remove dead copper, pour order 11): 159.766,114.3 158.877,115.189 149.479,115.189 146.558,118.11 146.558,119.634 147.32,120.396 159.512,120.396 160.02,119.888

## Keep-outs
Keep-Out Layer:
  lines w0.254: 89.787,70.358 ccw(c93.726,70.358) 93.726,66.419 ; 89.787,117.475 cw(c93.726,117.475) 93.726,121.414 ; 89.789,70.358 89.789,117.475 ; 93.735,66.412 171.06,66.412 ; 94.361,121.412 171.704,121.412 ; 171.069,66.419 ccw(c171.069,70.358) 175.008,70.358 ; 171.069,121.414 cw(c171.069,117.475) 175.008,117.475 ; 175.006,70.358 175.006,117.602

## Other copper
Top Layer:
  pour cut-out: 141.732,115.951 145.796,115.951 146.177,115.57 146.177,103.251 145.669,102.743 142.113,102.743 141.478,103.378 141.478,115.697 141.605,115.824
Bottom Layer:
  region net GND_VIN: 146.554,93.672 146.554,93.222 146.685,93.091 147.193,93.091 147.447,92.837 147.701,92.837 147.701,94.107 147.574,93.98 147.32,93.98 147.193,93.853 146.812,93.853
  region net GND_VIN: 146.735,95.123 146.554,94.942 146.554,94.542 146.735,94.361 147.193,94.361 147.32,94.234 147.574,94.234 147.574,94.996 147.32,95.25 147.193,95.123
  region net GND_VIN: 146.506,96.191 146.685,96.012 147.066,96.012 147.32,95.758 147.828,95.758 148.082,96.012 148.082,96.901 147.701,97.282 147.447,97.282 147.066,96.901 146.685,96.901 146.685,96.899 146.506,96.72
  region net DGND: 146.304,97.282 146.356,97.23 146.356,96.191 146.177,96.012 145.161,96.012 144.907,96.266 144.907,96.647 144.653,96.901 144.78,97.028 144.78,97.409

## Silkscreen, mask and mechanical layers (free items; w line width, h text height)
Top Overlay:
  text "3.3V" at 132.103,120.292 h0.8
  text "SWIO" at 142.517,117.117 h0.8
  text "GND" at 157.092,111.372 h0.8
  text "ECG Electrodes / (AD8232)" at 100.457,102.87 h0.8 r90
  text "RX" at 156.965,102.101 h0.8
  text "TX" at 156.965,100.958 h0.8
  text "RLD" at 91.209,99.972 h0.8
  text "LA" at 91.209,98.702 h0.8
  text "RA" at 91.209,97.432 h0.8
  text "RLD" at 91.336,89.05 h0.8
  text "LA" at 91.336,87.78 h0.8
  text "RA" at 91.336,86.51 h0.8
  text "ECG Electrodes / (A-Circuits)" at 99.822,75.057 h0.8 r90
Bottom Overlay:
  text "Star Grounding  / Jumpers" at 147.955,97.155 h0.7
  text "DGND" at 151.391,96.513 h0.6
  text "AD8232 / GND" at 151.511,93.853 h0.6
  text "GND_ECG" at 151.391,92.549 h0.6
  text "ECG Acquisition - V1.0" at 171.153,84.577 h1
  text "Ali Hashemi" at 171.153,82.593 h1
  text "Jan 2024" at 171.153,80.434 h1

## Text inside footprints (layer, text, board x,y; h text height)
PUSB1: Mechanical 1 "PCB EDGE" at 149.065,120.371 h0.8